# Altium PCB TempdevAmmy0820.PcbDoc (part 1 of 3)
Units mm, origin at the board's own origin, x right, y up, seen from the top; angles counter-clockwise.
Board outline 80.01 x 100.08 mm, 2 copper layers (Top Layer, Bottom Layer); 938 components, 614 nets, 2936 pads, 106 vias.
Unrouted connection lines stored in the file: 2138.
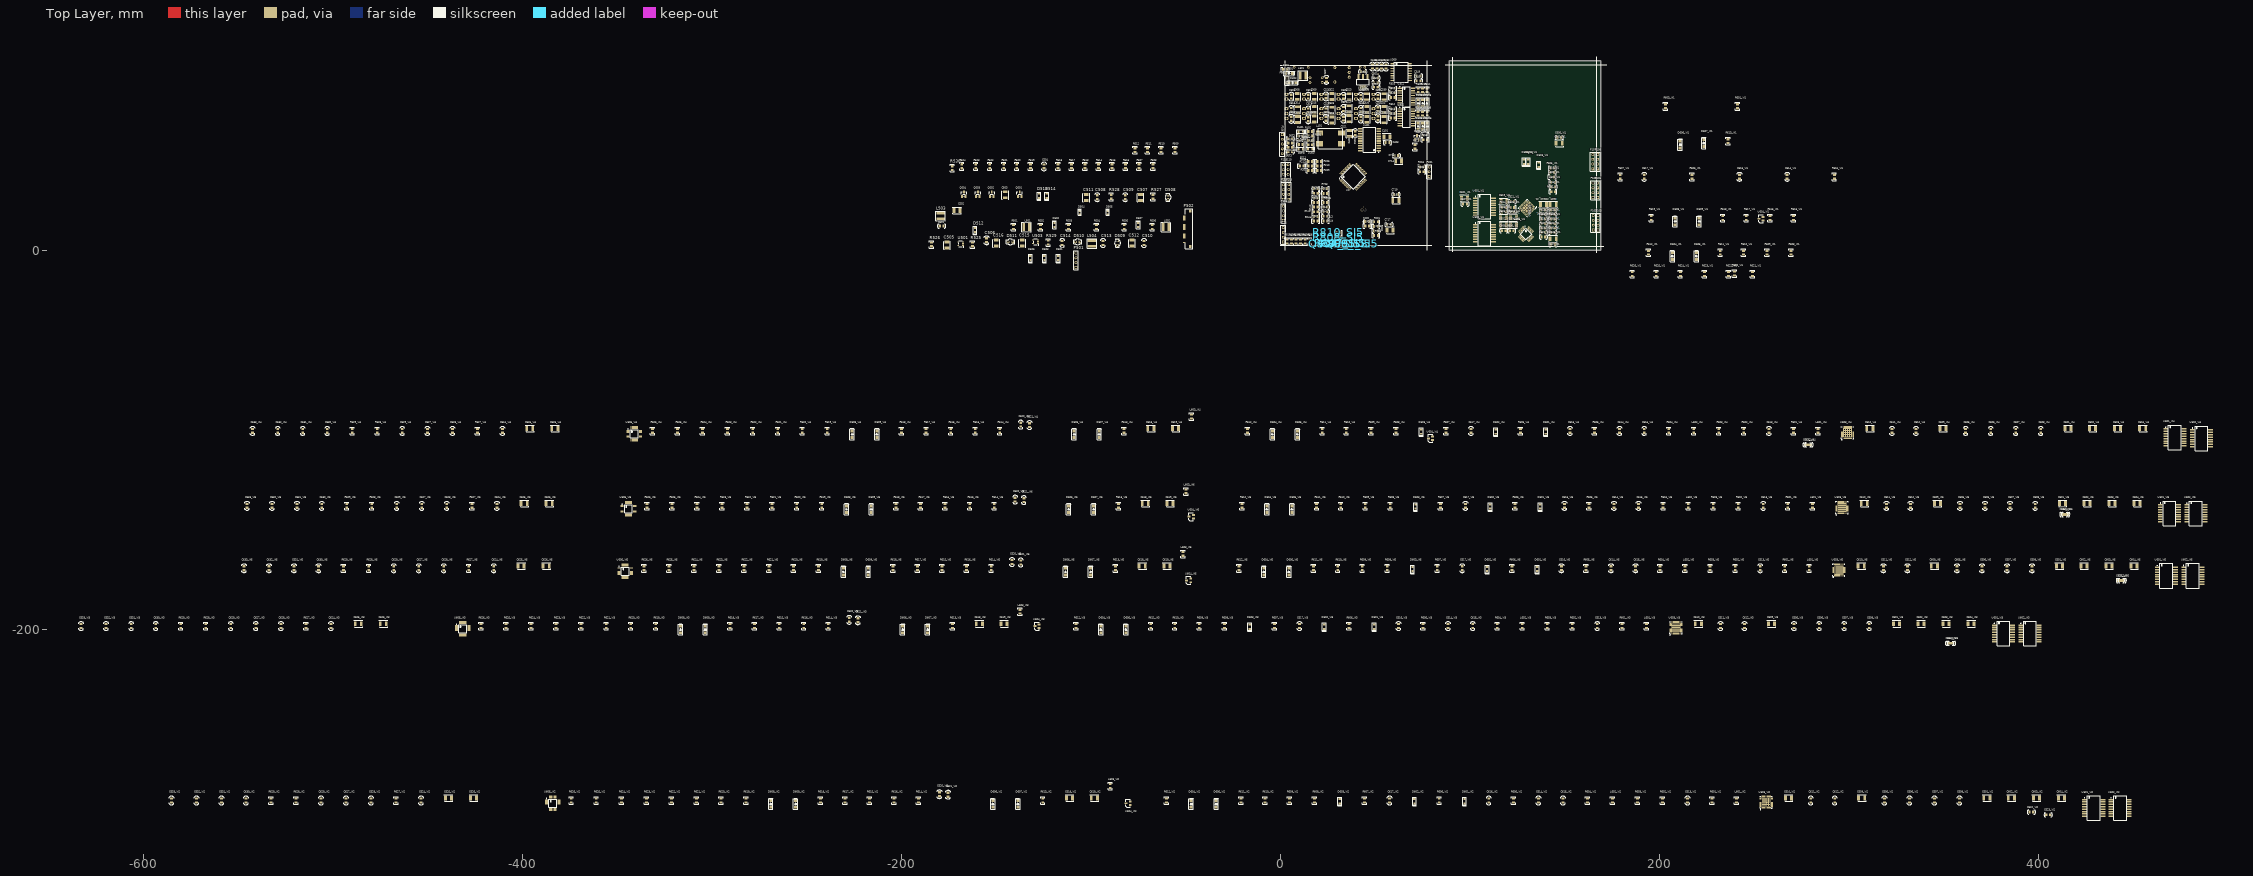
[diagram p0: Top Layer view]
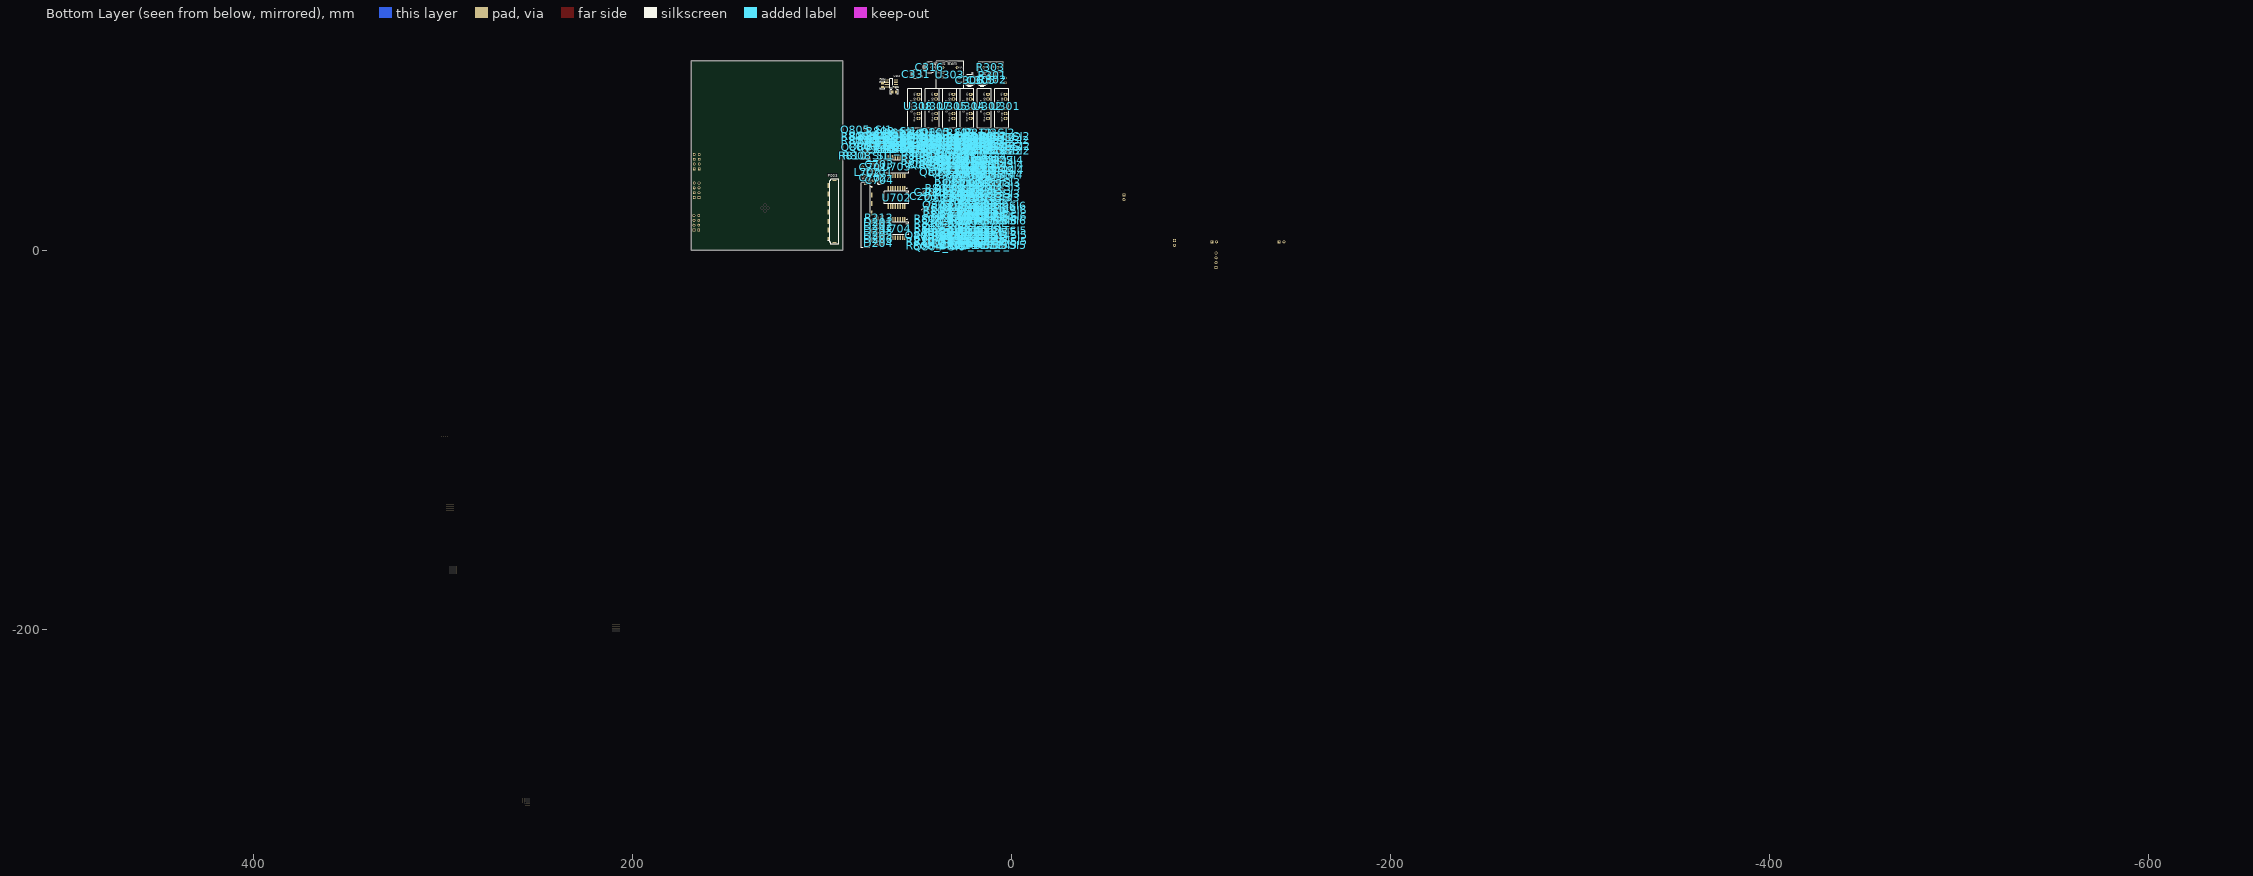
[diagram p1: Bottom Layer view, seen from below]

## Layer stack, top to bottom
Top Solder: solder mask 0.0102, Solder Resist, Dk 3.5
Top Layer: signal copper 0.0356
Dielectric 1: dielectric 0.32, FR-4, Dk 4.8
Bottom Layer: signal copper 0.0356
Bottom Solder: solder mask 0.0102, Solder Resist, Dk 3.5

## Board outline
89.027,-0.127 89.027,99.949 169.037,99.949 169.037,-0.127

## Design rules (kind name [scope] priority, off if disabled: settings)
Clearance [All] p1: gap=0.2 ignorepadtopadclearanceinfootprint=FALSE
DiffPairsRouting [All] p1: maxlimit=0.254 minlimit=0.254 mostfreqgap=0.254 toplayer_minwidth=0.381 toplayer_maxwidth=0.381 toplayer_prefwidth=0.381 bottomlayer_minwidth=0.381 bottomlayer_maxwidth=0.381 bottomlayer_prefwidth=0.381 maxuncoupledlength=12.7
PolygonConnect [All] p1: connectstyle=Relief reliefconductorwidth=0.254 reliefentries=4 polygonreliefangle="90 Angle" airgapwidth=0.254
RoomDefinition VI4 [InComponentClass('VI4')] p1: confinementstyle=ConfineIn formatcopy=TRUE lockcomponents=FALSE outline -543.839,-106.553 492.608,-106.553 492.608,-89.281 -543.839,-89.281
RoomDefinition VI6 [InComponentClass('VI6')] p2: confinementstyle=ConfineIn formatcopy=TRUE lockcomponents=FALSE outline -546.776,-146.116 489.671,-146.116 489.671,-128.844 -546.776,-128.844
RoomDefinition VI5 [InComponentClass('VI5')] p3: confinementstyle=ConfineIn formatcopy=TRUE lockcomponents=FALSE outline -548.386,-179.07 488.061,-179.07 488.061,-161.798 -548.386,-161.798
RoomDefinition VI3 [InComponentClass('VI3')] p4: confinementstyle=ConfineIn formatcopy=TRUE lockcomponents=FALSE outline -634.365,-209.55 402.082,-209.55 402.082,-192.278 -634.365,-192.278
RoomDefinition VI2 [InComponentClass('VI2')] p5: confinementstyle=ConfineIn formatcopy=TRUE lockcomponents=FALSE outline -586.74,-301.625 449.707,-301.625 449.707,-284.353 -586.74,-284.353
RoutingVias [All] p1: holewidth=0.711 width=1.27 viastyle="Through Hole" minholewidth=0.711 minwidth=1.27 maxholewidth=0.711 maxwidth=1.27
SolderMaskExpansion [All] p1: expansion=0.102 istentingtop=FALSE
Width [All] p1: maxlimit=1 minlimit=0.254 preferedwidth=0.3
29 further rules are at their usual default settings.

## Classes and differential pairs
channel class viout: VI1 VI2 VI3 VI4 VI5 VI6
channel class sensorinterface: SI1 SI2 SI3 SI4 SI5 SI6
component class VI6: C601_VI6 C602_VI6 C603_VI6 C604_VI6 C605_VI6 C606_VI6 C607_VI6 C608_VI6 C609_VI6 C610_VI6 C611_VI6 C612_VI6 C613_VI6 C614_VI6 C615_VI6 C616_VI6 C617_VI6 C618_VI6 C619_VI6 C620_VI6 C621_VI6 C622_VI6 C623_VI6 C624_VI6 C625_VI6 C626_VI6 C627_VI6 C628_VI6 C629_VI6 C630_VI6 C631_VI6 C632_VI6 C633_VI6 D601_VI6 D602_VI6 D603_VI6 D604_VI6 D605_VI6 D606_VI6 D607_VI6 D608_VI6 D609_VI6 L601_VI6 L602_VI6 L603_VI6 R601_VI6 R602_VI6 R603_VI6 R604_VI6 R605_VI6 R606_VI6 R607_VI6 R608_VI6 R609_VI6 R610_VI6 R611_VI6 R612_VI6 R613_VI6 R614_VI6 R615_VI6 R616_VI6 R617_VI6 R618_VI6 R619_VI6 R620_VI6 R621_VI6 R622_VI6 R623_VI6 R624_VI6 R625_VI6 R626_VI6 R627_VI6 R628_VI6 R629_VI6 U601_VI6 U602_VI6 U603_VI6 U604_VI6 U605_VI6
component class VI5: C601_VI5 C602_VI5 C603_VI5 C604_VI5 C605_VI5 C606_VI5 C607_VI5 C608_VI5 C609_VI5 C610_VI5 C611_VI5 C612_VI5 C613_VI5 C614_VI5 C615_VI5 C616_VI5 C617_VI5 C618_VI5 C619_VI5 C620_VI5 C621_VI5 C622_VI5 C623_VI5 C624_VI5 C625_VI5 C626_VI5 C627_VI5 C628_VI5 C629_VI5 C630_VI5 C631_VI5 C632_VI5 C633_VI5 D601_VI5 D602_VI5 D603_VI5 D604_VI5 D605_VI5 D606_VI5 D607_VI5 D608_VI5 D609_VI5 L601_VI5 L602_VI5 L603_VI5 R601_VI5 R602_VI5 R603_VI5 R604_VI5 R605_VI5 R606_VI5 R607_VI5 R608_VI5 R609_VI5 R610_VI5 R611_VI5 R612_VI5 R613_VI5 R614_VI5 R615_VI5 R616_VI5 R617_VI5 R618_VI5 R619_VI5 R620_VI5 R621_VI5 R622_VI5 R623_VI5 R624_VI5 R625_VI5 R626_VI5 R627_VI5 R628_VI5 R629_VI5 U601_VI5 U602_VI5 U603_VI5 U604_VI5 U605_VI5
component class VI4: C601_VI4 C602_VI4 C603_VI4 C604_VI4 C605_VI4 C606_VI4 C607_VI4 C608_VI4 C609_VI4 C610_VI4 C611_VI4 C612_VI4 C613_VI4 C614_VI4 C615_VI4 C616_VI4 C617_VI4 C618_VI4 C619_VI4 C620_VI4 C621_VI4 C622_VI4 C623_VI4 C624_VI4 C625_VI4 C626_VI4 C627_VI4 C628_VI4 C629_VI4 C630_VI4 C631_VI4 C632_VI4 C633_VI4 D601_VI4 D602_VI4 D603_VI4 D604_VI4 D605_VI4 D606_VI4 D607_VI4 D608_VI4 D609_VI4 L601_VI4 L602_VI4 L603_VI4 R601_VI4 R602_VI4 R603_VI4 R604_VI4 R605_VI4 R606_VI4 R607_VI4 R608_VI4 R609_VI4 R610_VI4 R611_VI4 R612_VI4 R613_VI4 R614_VI4 R615_VI4 R616_VI4 R617_VI4 R618_VI4 R619_VI4 R620_VI4 R621_VI4 R622_VI4 R623_VI4 R624_VI4 R625_VI4 R626_VI4 R627_VI4 R628_VI4 R629_VI4 U601_VI4 U602_VI4 U603_VI4 U604_VI4 U605_VI4
component class VI3: C601_VI3 C602_VI3 C603_VI3 C604_VI3 C605_VI3 C606_VI3 C607_VI3 C608_VI3 C609_VI3 C610_VI3 C611_VI3 C612_VI3 C613_VI3 C614_VI3 C615_VI3 C616_VI3 C617_VI3 C618_VI3 C619_VI3 C620_VI3 C621_VI3 C622_VI3 C623_VI3 C624_VI3 C625_VI3 C626_VI3 C627_VI3 C628_VI3 C629_VI3 C630_VI3 C631_VI3 C632_VI3 C633_VI3 D601_VI3 D602_VI3 D603_VI3 D604_VI3 D605_VI3 D606_VI3 D607_VI3 D608_VI3 D609_VI3 L601_VI3 L602_VI3 L603_VI3 R601_VI3 R602_VI3 R603_VI3 R604_VI3 R605_VI3 R606_VI3 R607_VI3 R608_VI3 R609_VI3 R610_VI3 R611_VI3 R612_VI3 R613_VI3 R614_VI3 R615_VI3 R616_VI3 R617_VI3 R618_VI3 R619_VI3 R620_VI3 R621_VI3 R622_VI3 R623_VI3 R624_VI3 R625_VI3 R626_VI3 R627_VI3 R628_VI3 R629_VI3 U601_VI3 U602_VI3 U603_VI3 U604_VI3 U605_VI3
component class VI2: C601_VI2 C602_VI2 C603_VI2 C604_VI2 C605_VI2 C606_VI2 C607_VI2 C608_VI2 C609_VI2 C610_VI2 C611_VI2 C612_VI2 C613_VI2 C614_VI2 C615_VI2 C616_VI2 C617_VI2 C618_VI2 C619_VI2 C620_VI2 C621_VI2 C622_VI2 C623_VI2 C624_VI2 C625_VI2 C626_VI2 C627_VI2 C628_VI2 C629_VI2 C630_VI2 C631_VI2 C632_VI2 C633_VI2 D601_VI2 D602_VI2 D603_VI2 D604_VI2 D605_VI2 D606_VI2 D607_VI2 D608_VI2 D609_VI2 L601_VI2 L602_VI2 L603_VI2 R601_VI2 R602_VI2 R603_VI2 R604_VI2 R605_VI2 R606_VI2 R607_VI2 R608_VI2 R609_VI2 R610_VI2 R611_VI2 R612_VI2 R613_VI2 R614_VI2 R615_VI2 R616_VI2 R617_VI2 R618_VI2 R619_VI2 R620_VI2 R621_VI2 R622_VI2 R623_VI2 R624_VI2 R625_VI2 R626_VI2 R627_VI2 R628_VI2 R629_VI2 U601_VI2 U602_VI2 U603_VI2 U604_VI2 U605_VI2
component class VI1: C601_VI1 C602_VI1 C603_VI1 C604_VI1 C605_VI1 C606_VI1 C607_VI1 C608_VI1 C609_VI1 C610_VI1 C611_VI1 C612_VI1 C613_VI1 C614_VI1 C615_VI1 C616_VI1 C617_VI1 C618_VI1 C619_VI1 C620_VI1 C621_VI1 C622_VI1 C623_VI1 C624_VI1 C625_VI1 C626_VI1 C627_VI1 C628_VI1 C629_VI1 C630_VI1 C631_VI1 C632_VI1 C633_VI1 D601_VI1 D602_VI1 D603_VI1 D604_VI1 D605_VI1 D606_VI1 D607_VI1 D608_VI1 D609_VI1 L601_VI1 L602_VI1 L603_VI1 R601_VI1 R602_VI1 R603_VI1 R604_VI1 R605_VI1 R606_VI1 R607_VI1 R608_VI1 R609_VI1 R610_VI1 R611_VI1 R612_VI1 R613_VI1 R614_VI1 R615_VI1 R616_VI1 R617_VI1 R618_VI1 R619_VI1 R620_VI1 R621_VI1 R622_VI1 R623_VI1 R624_VI1 R625_VI1 R626_VI1 R627_VI1 R628_VI1 R629_VI1 U601_VI1 U602_VI1 U603_VI1 U604_VI1 U605_VI1
component class SI6: C801_SI6 C802_SI6 C803_SI6 C804_SI6 C805_SI6 D801_SI6 D802_SI6 D803_SI6 D804_SI6 Q801_SI6 Q802_SI6 Q803_SI6 Q804_SI6 Q805_SI6 Q806_SI6 R801_SI6 R802_SI6 R803_SI6 R804_SI6 R805_SI6 R806_SI6 R807_SI6 R808_SI6 R809_SI6 R810_SI6 R811_SI6 R812_SI6 R813_SI6 R814_SI6 R815_SI6 R816_SI6 R817_SI6 R818_SI6 R819_SI6
component class SI5: C801_SI5 C802_SI5 C803_SI5 C804_SI5 C805_SI5 D801_SI5 D802_SI5 D803_SI5 D804_SI5 Q801_SI5 Q802_SI5 Q803_SI5 Q804_SI5 Q805_SI5 Q806_SI5 R801_SI5 R802_SI5 R803_SI5 R804_SI5 R805_SI5 R806_SI5 R807_SI5 R808_SI5 R809_SI5 R810_SI5 R811_SI5 R812_SI5 R813_SI5 R814_SI5 R815_SI5 R816_SI5 R817_SI5 R818_SI5 R819_SI5
component class SI4: C801_SI4 C802_SI4 C803_SI4 C804_SI4 C805_SI4 D801_SI4 D802_SI4 D803_SI4 D804_SI4 Q801_SI4 Q802_SI4 Q803_SI4 Q804_SI4 Q805_SI4 Q806_SI4 R801_SI4 R802_SI4 R803_SI4 R804_SI4 R805_SI4 R806_SI4 R807_SI4 R808_SI4 R809_SI4 R810_SI4 R811_SI4 R812_SI4 R813_SI4 R814_SI4 R815_SI4 R816_SI4 R817_SI4 R818_SI4 R819_SI4
component class SI3: C801_SI3 C802_SI3 C803_SI3 C804_SI3 C805_SI3 D801_SI3 D802_SI3 D803_SI3 D804_SI3 Q801_SI3 Q802_SI3 Q803_SI3 Q804_SI3 Q805_SI3 Q806_SI3 R801_SI3 R802_SI3 R803_SI3 R804_SI3 R805_SI3 R806_SI3 R807_SI3 R808_SI3 R809_SI3 R810_SI3 R811_SI3 R812_SI3 R813_SI3 R814_SI3 R815_SI3 R816_SI3 R817_SI3 R818_SI3 R819_SI3
component class SI2: C801_SI2 C802_SI2 C803_SI2 C804_SI2 C805_SI2 D801_SI2 D802_SI2 D803_SI2 D804_SI2 Q801_SI2 Q802_SI2 Q803_SI2 Q804_SI2 Q805_SI2 Q806_SI2 R801_SI2 R802_SI2 R803_SI2 R804_SI2 R805_SI2 R806_SI2 R807_SI2 R808_SI2 R809_SI2 R810_SI2 R811_SI2 R812_SI2 R813_SI2 R814_SI2 R815_SI2 R816_SI2 R817_SI2 R818_SI2 R819_SI2
component class SI1: C801_SI1 C802_SI1 C803_SI1 C804_SI1 C805_SI1 D801_SI1 D802_SI1 D803_SI1 D804_SI1 Q801_SI1 Q802_SI1 Q803_SI1 Q804_SI1 Q805_SI1 Q806_SI1 R801_SI1 R802_SI1 R803_SI1 R804_SI1 R805_SI1 R806_SI1 R807_SI1 R808_SI1 R809_SI1 R810_SI1 R811_SI1 R812_SI1 R813_SI1 R814_SI1 R815_SI1 R816_SI1 R817_SI1 R818_SI1 R819_SI1
component class RS485: C401 C402 C403 C404 C405 C406 D401 D402 D403 L401 MOV401 MOV402 P003 PTC401 PTC402 R401 R402 R403 R404 R405 U401
component class POWER: C301 C302 C303 C304 C305 C306 C307 C308 C309 C310 C311 C312 C313 C314 C315 C316 C317 C318 C319 C320 C321 C322 C323 C324 C325 C326 C327 C328 C329 C330 C331 C332 C333 C334 C335 C336 C337 C338 C339 C340 C341 C342 C343 C344 C345 C346 C347 C348 C349 C350 C351 D301 D302 D303 D304 D305 D306 D307 D308 F301 L301 P002 Q301 R301 R302 R303 R304 R305 R306 R307 R308 R309 R310 R311 R312 R313 R314 R315 R316 R317 R318 R319 R320 U301 U302 U303 U304 U305 U306 U307 U308 U309 U310 U311 U312
component class MCU: C201 C202 C203 D201 D202 D203 D204 D205 D206 P201 R201 R202 R203 R204 R205 R206 R207 R208 R209 R210 R211 R212 R213 U1
component class homepage: P101 P102 P103 P104 P105 P106 P107 P108 P110 P111 P112 P113 P114 P115
component class HMI: C501 C502 C503 C504 C505 C506 C507 C508 C509 C510 C511 C512 C513 C514 C515 C516 D501 D502 D503 D504 D505 D506 D507 D508 D509 D510 D511 D512 D513 D514 K501 K502 K503 K504 K505 L501 L502 L503 L504 P501 P502 Q501 Q502 Q503 Q504 R501 R502 R503 R504 R505 R506 R507 R508 R509 R510 R511 R512 R513 R514 R515 R516 R517 R518 R519 R520 R521 R522 R523 R524 R525 R526 R527 R528 R529 R530 U501 U503
component class ADC: C701 C702 C703 C704 C705 C706 C707 C708 C709 C710 C711 C712 C713 C714 C715 C716 C717 C718 C719 L701 L702 NTC701 R701 R702 R703 R704 R705 R706 R707 R708 U701 U702 U703 U704
differential pair REFIN1: +REFIN1_P -REFIN1_N
differential pair CHN8: +CHN8_P -CHN8_N

## Components (designator, comment, footprint, x,y, rotation, side; value= is the part's Value field where it differs from the comment)
C201 "CC0805MRX7R9BB104" 0805C 45.831,15.113 r0 top value=0.1uF
C202 "T494B226M006AHAUTO" CB 42.695,29.487 r315 bottom value=22uF
C203 "CC0805MRX7R9BB104" 0805C 46.101,28.448 r45 bottom value=0.1uF
C301 "T494B476K025ATAUTO" CB 9.017,67.412 r180 top value=47uF
C302 "T494B476K025ATAUTO" CB 17.907,67.666 r180 top value=47uF
C303 "CC0805MRX7R9BB104" 0805C 5.715,69.342 r90 top value=0.1uF
C304 "CC0805MRX7R9BB104" 0805C 14.732,69.088 r90 top value=0.1uF
C305 "ECR1HQG100M-063007" CE-6.3*11.5(-) 15.621,89.789 r270 bottom value=10uF
C306 "ECR1HQG100M-063007" CE-6.3*11.5(-) 22.098,89.789 r270 bottom value=10uF
C307 "CC0805MRX7R9BB104" 0805C 24.257,89.916 r270 top value=0.1uF
C308 "T494B106M006AHAUTO" CB 8.89,82.702 r0 top value=10uF
C309 "T494B106M006AHAUTO" CB 17.907,82.702 r0 top value=10uF
C310 "CC0805MRX7R9BB104" 0805C 5.715,81.026 r90 top value=0.1uF
C311 "CC0805MRX7R9BB104" 0805C 14.732,81.026 r90 top value=0.1uF
C312 "CC0805MRX7R9BB104" 0805C 5.715,74.057 r270 top value=0.1uF
C313 "CC0805MRX7R9BB104" 0805C 14.732,73.787 r270 top value=0.1uF
C314 "T494B476K025ATAUTO" CB 9.017,72.492 r180 top value=47uF
C315 "T494B476K025ATAUTO" CB 17.907,72.619 r180 top value=47uF
C316 "T494B107M006AHAUTO" CE-6.3*11.5(-) 43.307,96.52 r0 bottom value=100uF
C317 "CC0805MRX7R9BB104" 0805C 43.45,94.234 r180 top value=0.1uF
C318 "T494B476K025ATAUTO" CB 27.051,67.031 r180 top value=47uF
C319 "T494B476K025ATAUTO" CB 36.195,67.793 r180 top value=47uF
C320 "CC0805MRX7R9BB104" 0805C 24.003,69.326 r90 top value=0.1uF
C321 "CC0805MRX7R9BB104" 0805C 33.274,69.469 r90 top value=0.1uF
C322 "T494B106M006AHAUTO" CB 27.051,82.702 r0 top value=10uF
C323 "T494B106M006AHAUTO" CB 36.322,82.575 r0 top value=10uF
C324 "CC0805MRX7R9BB104" 0805C 24.003,81.153 r90 top value=0.1uF
C325 "CC0805MRX7R9BB104" 0805C 33.274,80.899 r90 top value=0.1uF
C326 "CC0805MRX7R9BB104" 0805C 24.003,73.787 r270 top value=0.1uF
C327 "CC0805MRX7R9BB104" 0805C 33.274,74.549 r270 top value=0.1uF
C328 "T494B476K025ATAUTO" CB 27.051,72.238 r180 top value=47uF
C329 "T494B476K025ATAUTO" CB 36.195,73.025 r180 top value=47uF
C330 "T494B106M006AHAUTO" 0805C 53.34,96.917 r270 top value=10uF
C331 "T494B476M010AHAUTO" CE-5*11(-) 50.272,92.964 r0 bottom value=47uF
C332 "CC0805MRX7R9BB104" 0805C 55.753,96.901 r90 top value=0.1uF
C333 "CC0805MRX7R9BB104" 0805C 50.403,85.979 r0 top value=0.1uF
C334 "T494B476K025ATAUTO" CB 45.593,67.412 r180 top value=47uF
C335 "T494B476K025ATAUTO" CB 54.61,67.285 r180 top value=47uF
C336 "CC0805MRX7R9BB104" 0805C 42.418,69.469 r90 top value=0.1uF
C337 "CC0805MRX7R9BB104" 0805C 51.435,69.596 r90 top value=0.1uF
C338 "T494B106M006AHAUTO" CB 45.466,82.575 r0 top value=10uF
C339 "T494B106M006AHAUTO" CB 54.61,82.55 r0 top value=10uF
C340 "CC0805MRX7R9BB104" 0805C 42.418,80.899 r90 top value=0.1uF
C341 "CC0805MRX7R9BB104" 0805C 51.435,80.899 r90 top value=0.1uF
C342 "CC0805MRX7R9BB104" 0805C 42.418,74.041 r270 top value=0.1uF
C343 "CC0805MRX7R9BB104" 0805C 51.435,74.422 r270 top value=0.1uF
C344 "T494B106M006AHAUTO" 0805C 50.927,96.901 r270 top value=10uF
C345 "T494B106M006AHAUTO" 0805C 72.914,89.281 r180 top value=10uF
C346 "T494B476K025ATAUTO" CB 45.593,72.644 r180 top value=47uF
C347 "T494B476K025ATAUTO" CB 54.61,72.644 r180 top value=47uF
C348 "CC0805MRX7R9BB104" 0805C 48.641,96.901 r90 top value=0.1uF
C349 "CC0805MRX7R9BB104" 0805C 72.882,91.948 r0 top value=0.1uF
C350 "T494B106M006AHAUTO" 0805C 50.403,88.392 r0 top value=10uF
C351 "CC0805MRX7R9BB104" 0805C 50.419,90.805 r0 top value=0.1uF
C401 "T494B476M010AHAUTO" CB 57.785,59.944 r270 top value=47uF
C402 "T494B476M010AHAUTO" CB 36.449,63.271 r0 top value=47uF
C403 "CC0805MRX7R9BB104" 0805C 56.515,56.769 r180 top value=0.1uF
C404 "CC0805MRX7R9BB104" 0805C 39.497,61.738 r270 top value=0.1uF
C405 "" 0805C 5.207,58.801 r0 top value=1nF
C406 "" 0805C 5.207,51.943 r180 top value=1nF
C501 "CC0805MRX7R9BB101" 0805C -178.816,12.827 r0 top value=100pF
C502 "T494B226M006AHAUTO" CB -169.037,20.955 r270 top value=4.7uF
C503 "T494B226M006AHAUTO" CB -145.288,30.861 r0 top value=22uF
C504 "CC0805MRX7R9BB104" 0805C -124.714,44.196 r90 top value=0.1uF
C505 "T494B226M006AHAUTO" CB -176.022,4.318 r0 top value=4.7uF
C506 "CC0805MRX7R9BB104" 0805C -155.067,5.207 r90 top value=0.1uF
C507 "T494B226M006AHAUTO" CB -73.787,29.464 r0 top value=4.7uF
C508 "CC0805MRX7R9BB104" 0805C -96.647,27.94 r90 top value=0.1uF
C509 "CC0805MRX7R9BB105" 0805C -81.915,27.94 r90 top value=1uF
C510 "CC0805MRX7R9BB104" 0805C -72.009,3.81 r90 top value=0.1uF
C511 "T494B226M006AHAUTO" CB -102.489,29.464 r0 top value=4.7uF
C512 "T494B226M006AHAUTO" CB -78.359,5.334 r0 top value=4.7uF
C513 "CC0805MRX7R9BB104" 0805C -93.599,3.81 r90 top value=10uF
C514 "CC0805MRX7R9BB221" 0805C -115.189,3.81 r90 top value=220pF
C515 "T494B226M006AHAUTO" CB -136.271,5.334 r0 top value=4.7uF
C516 "T494B226M006AHAUTO" CB -149.987,5.334 r0 top value=4.7uF
C601_VI1 "T494B106M006AHAUTO" CB 95.504,27.416 r90 top value=10uF (schematic designator C601)
C601_VI2 "T494B106M006AHAUTO" CB 371.221,-289.179 r90 top value=10uF (schematic designator C601)
C601_VI3 "T494B106M006AHAUTO" CB 323.596,-197.104 r90 top value=10uF (schematic designator C601)
C601_VI4 "T494B106M006AHAUTO" CB 414.122,-94.107 r90 top value=10uF (schematic designator C601)
C601_VI5 "T494B106M006AHAUTO" CB 409.575,-166.624 r90 top value=10uF (schematic designator C601)
C601_VI6 "T494B106M006AHAUTO" CB 411.185,-133.67 r90 top value=10uF (schematic designator C601)
C602_VI1 "T494B106M006AHAUTO" CB 116.205,13.319 r90 top value=10uF (schematic designator C602)
C602_VI2 "T494B106M006AHAUTO" CB 384.175,-289.179 r90 top value=10uF (schematic designator C602)
C602_VI3 "T494B106M006AHAUTO" CB 336.55,-197.104 r90 top value=10uF (schematic designator C602)
C602_VI4 "T494B106M006AHAUTO" CB 427.076,-94.107 r90 top value=10uF (schematic designator C602)
C602_VI5 "T494B106M006AHAUTO" CB 422.529,-166.624 r90 top value=10uF (schematic designator C602)
C602_VI6 "T494B106M006AHAUTO" CB 424.139,-133.67 r90 top value=10uF (schematic designator C602)
C603_VI1 "T494B106M006AHAUTO" CB 145.542,56.499 r90 top value=10uF (schematic designator C603)
C603_VI2 "T494B106M006AHAUTO" CB 397.383,-289.179 r90 top value=10uF (schematic designator C603)
C603_VI3 "T494B106M006AHAUTO" CB 349.758,-197.104 r90 top value=10uF (schematic designator C603)
C603_VI4 "T494B106M006AHAUTO" CB 440.284,-94.107 r90 top value=10uF (schematic designator C603)
C603_VI5 "T494B106M006AHAUTO" CB 435.737,-166.624 r90 top value=10uF (schematic designator C603)
C603_VI6 "T494B106M006AHAUTO" CB 437.347,-133.67 r90 top value=10uF (schematic designator C603)
C604_VI1 "T494B106M006AHAUTO" CB 124.612,13.335 r270 top value=10uF (schematic designator C604)
C604_VI2 "T494B106M006AHAUTO" CB 410.591,-289.179 r90 top value=10uF (schematic designator C604)
C604_VI3 "T494B106M006AHAUTO" CB 362.966,-197.104 r90 top value=10uF (schematic designator C604)
C604_VI4 "T494B106M006AHAUTO" CB 453.492,-94.107 r90 top value=10uF (schematic designator C604)
C604_VI5 "T494B106M006AHAUTO" CB 448.945,-166.624 r90 top value=10uF (schematic designator C604)
C604_VI6 "T494B106M006AHAUTO" CB 450.555,-133.67 r90 top value=10uF (schematic designator C604)
C605_VI1 "CC0805MRX7R9BB104" 0805C 147.193,59.436 r0 top value=0.1uF (schematic designator C605)
C605_VI2 "CC0805MRX7R9BB104" 0805C 318.77,-290.449 r90 top value=0.1uF (schematic designator C605)
C605_VI3 "CC0805MRX7R9BB104" 0805C 271.145,-198.374 r90 top value=0.1uF (schematic designator C605)
C605_VI4 "CC0805MRX7R9BB104" 0805C 361.671,-95.377 r90 top value=0.1uF (schematic designator C605)
C605_VI5 "CC0805MRX7R9BB104" 0805C 357.124,-167.894 r90 top value=0.1uF (schematic designator C605)
C605_VI6 "CC0805MRX7R9BB104" 0805C 358.734,-134.94 r90 top value=0.1uF (schematic designator C605)
C606_VI1 "CC0805MRX7R9BB104" 0805C 122.047,10.287 r180 top value=0.1uF (schematic designator C606)
C606_VI2 "CC0805MRX7R9BB104" 0805C 331.978,-290.449 r90 top value=0.1uF (schematic designator C606)
C606_VI3 "CC0805MRX7R9BB104" 0805C 284.353,-198.374 r90 top value=0.1uF (schematic designator C606)
C606_VI4 "CC0805MRX7R9BB104" 0805C 374.879,-95.377 r90 top value=0.1uF (schematic designator C606)
C606_VI5 "CC0805MRX7R9BB104" 0805C 370.332,-167.894 r90 top value=0.1uF (schematic designator C606)
C606_VI6 "CC0805MRX7R9BB104" 0805C 371.942,-134.94 r90 top value=0.1uF (schematic designator C606)
C607_VI1 "CC0805MRX7R9BB104" 0805C 97.409,24.384 r0 top value=0.1uF (schematic designator C607)
C607_VI2 "CC0805MRX7R9BB104" 0805C 345.186,-290.449 r90 top value=0.1uF (schematic designator C607)
C607_VI3 "CC0805MRX7R9BB104" 0805C 297.561,-198.374 r90 top value=0.1uF (schematic designator C607)
C607_VI4 "CC0805MRX7R9BB104" 0805C 388.087,-95.377 r90 top value=0.1uF (schematic designator C607)
C607_VI5 "CC0805MRX7R9BB104" 0805C 383.54,-167.894 r90 top value=0.1uF (schematic designator C607)
C607_VI6 "CC0805MRX7R9BB104" 0805C 385.15,-134.94 r90 top value=0.1uF (schematic designator C607)
C608_VI1 "CC0805MRX7R9BB104" 0805C 117.856,10.287 r0 top value=0.1uF (schematic designator C608)
C608_VI2 "CC0805MRX7R9BB104" 0805C 358.394,-290.449 r90 top value=0.1uF (schematic designator C608)
C608_VI3 "CC0805MRX7R9BB104" 0805C 310.769,-198.374 r90 top value=0.1uF (schematic designator C608)
C608_VI4 "CC0805MRX7R9BB104" 0805C 401.295,-95.377 r90 top value=0.1uF (schematic designator C608)
C608_VI5 "CC0805MRX7R9BB104" 0805C 396.748,-167.894 r90 top value=0.1uF (schematic designator C608)
C608_VI6 "CC0805MRX7R9BB104" 0805C 398.358,-134.94 r90 top value=0.1uF (schematic designator C608)